# Altium PCB PCB1.PcbDoc (continued)
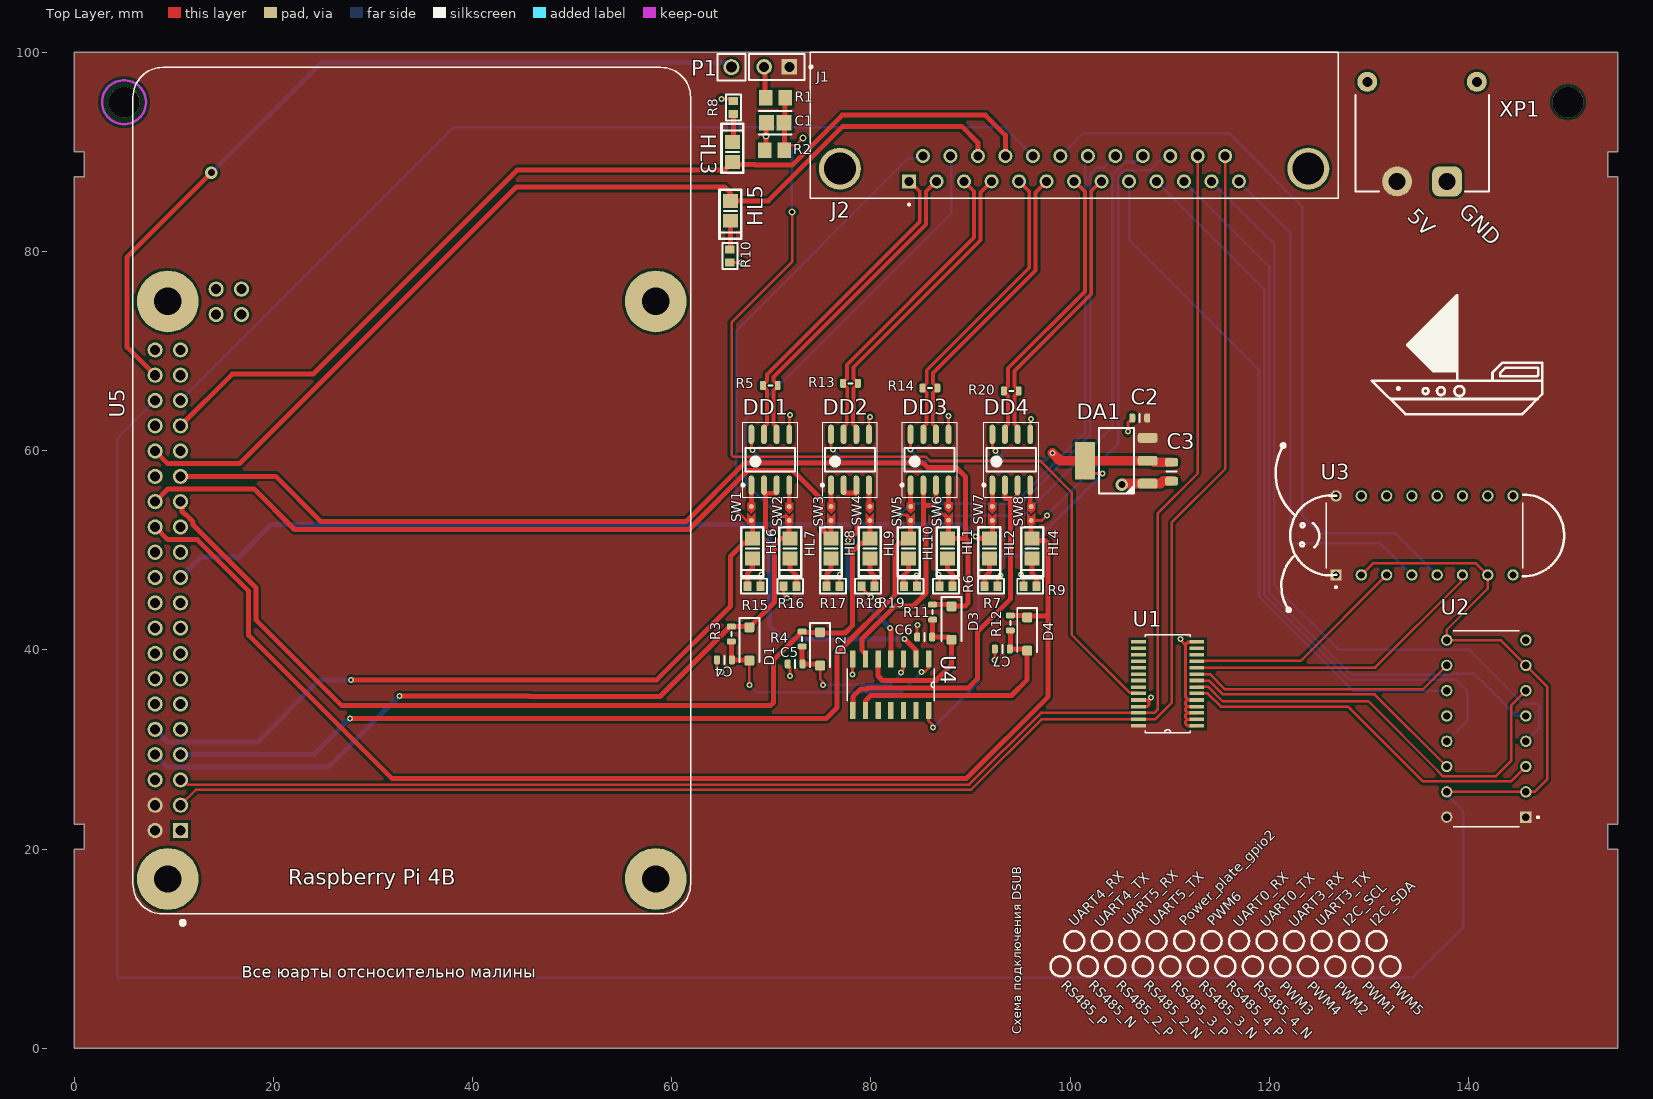
[diagram p0: Top Layer view]
## Part data (continued)
J2: "DSUB RASOLDER25SOCKET LF", Package=None, Availability="In Stock", Check_prices=https://www.snapeda.com/parts/D25S13F6GL00LF/Amphenol+FCI/view-part/?ref=eda, MF="Amphenol ICC (FCI)", MP=D25S13F6GL00LF, Price=None, Purchase-URL=https://pricing.snapeda.com/search/part/D25S13F6GL00LF/?ref=eda, SnapEDA_Link=https://www.snapeda.com/parts/D25S13F6GL00LF/Amphenol+FCI/view-part/?ref=snap
P1: library part CMP-1502-01058-3, Color=Black, Contact Resistance=20mΩ, Current Rating=3A, Operating Supply Voltage=250V, Connector Type="Male Pin", Contact Material=Copper, Contact Mating Length=5.9944mm, Contact Plating=Gold, Gender=Male, Lead Pitch=2.54mm, Mount="Through Hole", NexarPartId=32855518, Number of Contacts=1, Number of Pins=1, Number of Positions=1, Number of Rows=1, Orientation=Vertical, Packaging=Bulk, REACH SVHC=Unknown, RoHS=Compliant, Termination=Solder
R1 R2: library part CMP-2001-04375-5, "Chip Resistor, 100 Ohm, +/- 1%, 0.125 W, -55 to 155 degC, 0805 (2012 Metric), RoHS, Tape and Reel", Manufacturer=Panasonic, Max Operating Temperature="155 degC", Min Operating Temperature="-55 degC", Package Quantity=1, ComponentLink1Description="Manufacturer URL", ComponentLink1URL=http://www.panasonic.com/, ComponentLink2Description=Datasheet, ComponentLink2URL=http://industrial.panasonic.com/cdbs/www-data/pdf/RDA0000/AOA0000C86.pdf, DatasheetVersion=04/2015, Height="0.6 mm", Length="2 mm", Mount="Surface Mount", Mounting Technology="Surface Mount", PackageDescription="2-Pin Surface Mount Device, Body 2 x 1.25 mm", PackageReference=0805, Packaging="Cut Tape", REACH SVHC=Yes, RoHSCompliant=true
R3 R4 R11 R12: library part RC0603FR-0722KL, "SMD 0603; 0,1; 1%; 22 кОм", Manufacturer=Yageo, Package="SMD 0603", Power=0,1, Category=R, Part Number=RC0603FR-0722KL, Persent=1%, TCR="200 ppm"
R5 R13 R14 R20: library part RC0603FR-07120RL, "SMD 0603; 0,1; 1%; 120 Ом", Manufacturer=Yageo, Package="SMD 0603", Power=0,1, Category=R, Part Number=RC0603FR-07120RL, Persent=1%, TCR="200 ppm"
U1: "LED Driver IC 16 Output Linear - PWM Dimming 25mA 28-TSSOP", Package="TSSOP-28 NXP Semiconductors", Availability="In Stock", MF="NXP USA", MP=PCA9685PW,118, Price=None, Purchase-URL=https://pricing.snapeda.com/search/part/PCA9685PW,118/?ref=eda
U2 U3: "Ð§ÐµÑ‚Ñ‹Ñ€ÐµÑ…ÑŠÑÐ´ÐµÑ€Ð½Ñ‹Ð¹ ÐšÐœÐžÐŸ-Ð¿Ñ€ÐµÐ¾Ð±Ñ€Ð°Ð·Ð¾Ð²Ð°Ñ‚ÐµÐ»ÑŒ Ð½Ð¸Ð·ÐºÐ¾Ð³Ð¾ Ð½Ð°Ð¿Ñ€ÑÐ¶ÐµÐ½Ð¸Ñ Ð² Ð²Ñ‹ÑÐ¾ÐºÐ¾Ðµ (Ð½Ð¾Ð¼Ð¸Ð½Ð°Ð»ÑŒÐ½Ð¾Ðµ Ð½Ð°Ð¿Ñ€ÑÐ¶ÐµÐ½Ð¸Ðµ 20 Ð’)", Package="PDIP-16 Texas Instruments", Check_prices=https://www.snapeda.com/parts/CD40109BE/Texas+Instruments/view-part/?ref=eda, MF="Texas Instruments", MP=CD40109BE, SnapEDA_Link=https://www.snapeda.com/parts/CD40109BE/Texas+Instruments/view-part/?ref=snap
U4: "Inverter IC 6 Channel Schmitt Trigger 14-SOIC", Package="SO14-14 Nexperia USA Inc.", Availability="In Stock", Check_prices=https://www.snapeda.com/parts/74HC14D/Toshiba+Semiconductor+and+Storage/view-part/?ref=eda, MF=Toshiba, MP=74HC14D, Price=None, Purchase-URL=https://pricing.snapeda.com/search/part/74HC14D/?ref=eda, SnapEDA_Link=https://www.snapeda.com/parts/74HC14D/Toshiba+Semiconductor+and+Storage/view-part/?ref=snap
U5: "BCM2711 Raspberry Pi 4 Model B 4GB - ARMÂ® CortexÂ®-A72 MPU Embedded Evaluation Board", Package=None, Availability="In Stock", Check_prices=https://www.snapeda.com/parts/RASPBERRY%20PI%204B/4GB/Raspberry+Pi/view-part/?ref=eda, MF="Raspberry Pi", MP="RASPBERRY PI 4B/4GB", Price=None, Purchase-URL="https://pricing.snapeda.com/search/part/RASPBERRY PI 4B/4GB/?ref=eda", SnapEDA_Link=https://www.snapeda.com/parts/RASPBERRY%20PI%204B/4GB/Raspberry+Pi/view-part/?ref=snap
XP1: Manufacturer=AMASS, Part Number=XT30PW-M, Type=XT

## Free pads (board coordinates)
  round 3.1 hole 3.1 unplated: 4(5.006,95.006) 4(150.006,95.006)

## Via types
v1: diameter 0.6, hole 0.3, Top Layer to Bottom Layer, 46 vias
v2: diameter 0.7, hole 0.4, Top Layer to Bottom Layer, 3 vias
v3: diameter 1.27, hole 0.711, Top Layer to Bottom Layer, 2 vias

## Nets (pads, with @x,y where several pads share a name; then routed paths per layer and width w, separated by ;. In a path a pad name is that pad's centre, name@x,y a point inside that pad or via, vN(x,y) a via of type N, cw(c..) or ccw(c..) an arc to the next point about the centre after c; other vN are vias at no path point)
3.3V: C3.1 DA1.2 DA1.4 DD1.8 DD2.8 DD3.8 DD4.8 U4.14 | length 93.7
  Top Layer w0.3: DD1.8 67.995,60.286 68.1,60.181 v1(68.1,60.102) ; DD2.8 75.995,60.386 76.2,60.181 v1(76.2,60.105) ; v1(83.995,60.105) DD3.8 ; U4.14 85.81,32.87 86.25,32.43 v1(86.25,32.2) ; DD4.8 92.195,60.326 92.5,60.021 v1(92.5,60) ; DA1.4 101.5,58.576 102.35,57.726 102.774,57.726 102.8,57.7 v1(103.275,57.7)
  Top Layer w1: v1(98.25,59.775) 99.025,59 DA1.4 DA1.2 108.3,59 108.45,58.85 C3.1
  Bottom Layer w0.3: v1(68.1,60.102) 68.1,60.1 69.2,59 77.3,59 ; v1(76.2,60.105) 76.2,60.1 77.3,59 ; v1(83.995,60.105) 84.581,59.518 84.581,59.419 85,59 ; v1(86.25,32.2) 90.825,36.775 90.825,49.274 91.001,49.45 95.025,49.45 v1(103.275,57.7) ; v1(92.5,60) 93.5,59 ; v1(98.25,59.775) 97.475,59 93.5,59 ; 77.3,59 85,59 ; 85,59 93.5,59
5V: C2.1 DA1.3 J1.1 U1.28 U2.1 U2.16 U3.1 U3.16 U5.2 U5.4 XP1.2
EN_VMA: U2.2 U2.7 U2.9 U2.15 U3.2 U3.7 U5.36 | length 264.8
  Top Layer w0.254: U3.2 130.42,48.7 140.78,48.7 U3.7 ; U2.15 U2.2 146.65,25.75 147.9,27 147.9,36.32 U2.7 143.23,40.99 U2.9 137.83,42.03 141.943,46.143 U3.7@141.943,47.523
  Bottom Layer w0.254: U5.36 4.3,61.22 4.3,7.249 4.449,7.1 134.4,7.1 139.5,12.2 139.5,23.8 138.108,25.192 138.108,25.232 137.83,25.51 U2.15
GND: C1.2 C2.2 C3.2 C4.2 C5.2 C6.2 C7.2 DA1.1 DD1.5 DD2.5 DD3.5 DD4.5 R2.1 R6.1 R7.1 R8.1 R9.1 R10.1 R15.1 R16.1 R17.1 R18.1 R19.1 U1.1 U1.2 U1.3 U1.4 U1.5 U1.14 U1.24 U1.25 U2.8 U3.8 U4.7 U5.6 U5.9 U5.14 U5.20 U5.25 U5.30 U5.34 U5.39 XP1.1 | length 54.4
  Top Layer w0.3: C4.2 64.55,38.25 v1(65,37.8) ; v1(65,95.325) 66,95.325 R8.1 ; R10.1 v1(66.95,78.9) ; R15.1 68.923,47.342 68.939,47.357 68.939,47.543 v1(68.996,47.6) ; R2.1 R2.1@69.45,90.3 ; R16.1 71.25,45.55 v1(71.6,45.2) ; C5.2 71.65,38.45 71.9,38.2 v1(71.9,37.4) ; DD1.5 71.805,63.424 71.9,63.519 v1(71.9,63.6) ; R17.1 76.85,47.554 v1(76.896,47.6) ; v1(78.175,37.55) 78.175,39.076 U4.7 ; R18.1 79.3,46.15 79.3,46 v1(80,45.3) ; DD2.5 79.805,63.224 79.9,63.319 v1(79.9,63.4) ; v1(84.6,47.5) 84.6,46.45 R19.1 ; C6.2 84.65,42.45 v1(84.7,42.5) ; v1(86.8,47.6) 86.8,47.519 86.9,47.419 R6.1 ; v1(87.8,63.5) 87.805,63.495 DD3.5 ; v1(92.4,39) 92.45,39.05 C7.2 ; R7.1 92.7,47.174 93,47.474 v1(93,47.5) ; v1(95.1,47.6) 95.1,47.524 95.35,47.274 R9.1 ; DD4.5 96.005,63.024 96.1,63.119 v1(96.1,63.2) ; v1(105.8,61.925) 105.8,62.824 105.976,63 106.1,63 106.25,63.15 C2.2 ; U1.25 107.766,34.314 107.941,34.49 107.941,34.759 ; U1.24 107.726,34.974 107.941,34.759 ; v1(108.119,35.226) 108.119,35.219 107.941,35.041 107.941,34.759 ; v1(111.1,41.1) 111.1,41.019 111.25,40.869 111.25,40.857 111.58,40.527 ; U1.1 111.816,32.384 111.606,32.594 111.606,32.832 111.793,33.019 ; U1.2 111.793,33.019 ; U1.3 111.779,33.679 ; U1.4 111.786,34.314 ; U1.5 111.776,34.974 ; U1.14 111.87,40.816 111.58,40.527 ; 111.58,40.527 111.58,35.29 111.776,35.094 111.776,34.974 ; 111.776,34.974 111.6,34.799 111.6,34.5 111.786,34.314 ; 111.779,33.679 111.779,33.721 111.61,33.89 111.61,34.138 111.786,34.314 ; 111.779,33.679 111.6,33.5 111.6,33.211 111.793,33.019
  Top Layer w0.5: R2.1@69.475,90.35 v2(69.475,91.6) C1.2@69.475,92.85
  Top Layer w1: v3(105.2,56.6) 105.273,56.6 105.373,56.7 DA1.1 109.1,56.7 109.35,56.95 C3.2
hard_reset: P1.1 U5.38 | length 82.3
  Top Layer w0.5: U5.38 5.325,70.395 5.325,79.475 v3(13.775,87.925)
  Bottom Layer w0.5: v3(13.775,87.925) 24.85,99 66,99 P1.1
I2C1_SCL: J2.24 U1.26 U5.5 | length 158.7
  Top Layer w0.254: U5.5 10.965,26.95 11.446,26.469 89.861,26.469 97.071,33.679 U1.26 108.479,33.679 108.8,34 108.8,53.7 112.825,57.725 J2.24
I2C1_SDA: J2.25 U1.27 U5.3 | length 160.9
  Top Layer w0.254: U5.3 12.221,25.961 90.072,25.961 97.129,33.019 U1.27 108.537,33.019 110.2,34.682 110.2,52.8 115.585,58.185 J2.25
NetC1_1: C1.1 R1.2 R2.2 U1.23 | length 102
  Top Layer w0.254: R2.2 71.782,90.682 72.457,90.682 v2(73.175,91.4) ; v2(72.075,83.975) 72.375,83.975 72.125,83.725 72.125,79 66.025,72.9 66.025,59.57 66.174,59.421 68.161,59.421 68.164,59.424 85.501,59.424 85.925,59 85.95,59 85.975,58.975 97.025,58.975 100.175,55.825 100.175,41.521 106.01,35.686 106.828,35.686 U1.23
  Top Layer w0.5: R2.2@71.325,90.25 71.325,92.802 71.277,92.85 71.4,92.973 R1.2
  Bottom Layer w0.254: v2(72.075,83.975) 72.075,90.3 v2(73.175,91.4)
NetC4_1: C4.1 D1.A R3.2 U4.1 | length 26.3
  Top Layer w0.254: v1(67.8,36.475) D1.A ; v1(85.087,37.762) 85.153,37.828 85.453,37.828 85.81,38.185 U4.1
  Top Layer w0.5: R3.2 66,39.05 C4.1 67.725,39 D1.A
  Bottom Layer w0.254: v1(67.8,36.475) 68.5,35.775 83.1,35.775 v1(85.087,37.762)
NetC5_1: C5.1 D2.A R4.2 U4.3 | length 15.5
  Top Layer w0.254: D2.A 74.9,37.075 75.2,36.775 v1(75.2,36.5) ; v1(83.05,37.739) 83.05,37.833 83.27,38.053 U4.3
  Top Layer w0.5: R4.2 73.1,38.65 C5.1 74.725,38.6 D2.A
  Bottom Layer w0.254: v1(75.2,36.5) 81.9,36.5 83.05,37.65 v1(83.05,37.739)
NetC6_1: C6.1 D3.A R11.2 U4.5 | length 16.3
  Top Layer w0.5: U4.5 80.713,39.074 80.713,37.387 81.165,36.935 85.18,36.935 85.203,36.911 86.147,36.911 86.171,36.935 86.535,36.935 88.1,38.5 D3.A 87.825,41.3 C6.1 86.2,41.35 R11.2
NetC7_1: C7.1 D4.A R12.2 U4.9 | length 24.7
  Top Layer w0.5: U4.9 79.46,34.882 80.005,35.427 84.555,35.427 84.579,35.403 86.772,35.403 86.796,35.427 94.127,35.427 95.7,37 D4.A 95.525,40.1 C7.1 94,40.15 R12.2
NetDD1_1: DD1.1 SW1.2 | length 2.2
  Top Layer w0.5: DD1.1 67.995,54.405 SW1.2
NetDD1_2: DD1.2 DD1.3 U4.2 | length 32.9
  Top Layer w0.5: DD1.2 69.265,55.902 DD1.2@69.432,55.735 ; v1(69.8,51.7) 69.432,52.068 DD1.2@69.432,55.735 ; DD1.3 70.535,55.735 DD1.2@69.432,55.735 ; v1(83.4,41.1) 84.54,39.96 U4.2
  Bottom Layer w0.5: v1(69.8,51.7) 69.8,42.4 71.081,41.119 83.381,41.119 v1(83.4,41.1)
NetDD1_4: DD1.4 SW2.2 | length 2.2
  Top Layer w0.5: SW2.2 71.805,54.405 DD1.4
NetDD2_1: DD2.1 SW3.2 | length 2.2
  Top Layer w0.5: DD2.1 75.995,54.405 SW3.2
NetDD2_2: DD2.2 DD2.3 U4.4 | length 21.7
  Top Layer w0.5: DD2.2 77.265,55.902 77.384,55.783 DD2.3@78.6,55.783 ; v1(77.7,51) 78.6,51.9 DD2.3@78.6,55.783 ; DD2.3 78.535,55.848 DD2.3@78.6,55.783 ; v1(81.9,42.2) 82,42.1 U4.4
  Bottom Layer w0.5: v1(77.7,51) 77.7,46.4 v1(81.9,42.2)
NetDD2_4: DD2.4 SW4.2 | length 2.2
  Top Layer w0.5: DD2.4 79.805,54.495 SW4.2
NetDD3_1: DD3.1 SW5.2 | length 2.2
  Top Layer w0.5: DD3.1 83.995,54.405 SW5.2
NetDD3_2: DD3.2 DD3.3 U4.6 | length 24.6
  Top Layer w0.5: U4.6 79.46,39.675 79.443,39.692 79.393,39.692 79.1,39.985 79.1,41.1 82.4,44.4 84.238,44.4 85.554,45.716 85.554,47.084 85.526,47.112 85.526,47.526 85.554,47.554 85.554,52.2 85.265,52.489 85.265,54.52 ; DD3.2 85.265,54.52 ; DD3.3 86.535,54.935 86.12,54.52 85.265,54.52
NetDD3_4: DD3.4 SW6.2 | length 2.1
  Top Layer w0.5: SW6.2 87.8,56.545 DD3.4
NetDD4_1: DD4.1 SW7.2 | length 2.2
  Top Layer w0.5: DD4.1 92.195,54.405 SW7.2
NetDD4_2: DD4.2 DD4.3 U4.8 | length 37.9
  Top Layer w0.5: U4.8 78.19,35.29 78.992,36.092 79.604,36.092 79.693,36.181 84.867,36.181 84.891,36.157 86.459,36.157 86.483,36.181 89.781,36.181 90.7,37.1 90.7,41.8 94,45.1 94,55.2 ; DD4.2 93.465,55.2 94,55.2 ; DD4.3 94.735,55.848 94.7,55.813 94.7,55.493 94.407,55.2 94,55.2
NetDD4_4: DD4.4 SW8.2 | length 2.2
  Top Layer w0.5: DD4.4 96.005,54.495 SW8.2
NetHL1_2: HL1.2 R6.2 | length 3
  Top Layer w0.5: HL1.2 87.7,48.1 88.2,47.6 R6.2
NetHL2_2: HL2.2 R7.2 | length 3
  Top Layer w0.5: R7.2 91.4,47.293 91.9,47.793 HL2.2
NetHL3_2: HL3.2 R8.2 | length 2.9
  Top Layer w0.5: HL3.2 66.2,91.1 R8.2
NetHL4_2: HL4.2 R9.2 | length 3
  Top Layer w0.5: HL4.2 96.2,47.7 96.65,47.25 R9.2
NetHL5_2: HL5.2 R10.2 | length 2.9
  Top Layer w0.254: R10.2 R10.2@65.9,80.25
  Top Layer w0.5: R10.2@65.9,80.25 HL5.2
NetHL6_2: HL6.2 R15.2 | length 3
  Top Layer w0.5: R15.2 67.6,46.423 67.6,47.7 68.1,48.2 HL6.2
NetHL7_2: HL7.2 R16.2 | length 3.1
  Top Layer w0.5: HL7.2 71.9,48.1 72.55,47.45 R16.2
NetHL8_2: HL8.2 R17.2 | length 3
  Top Layer w0.5: R17.2 75.6,46.45 75.6,47.7 76,48.1 HL8.2
NetHL9_2: HL9.2 R18.2 | length 3
  Top Layer w0.5: HL9.2 79.9,47.9 80.35,47.45 R18.2
NetHL10_2: HL10.2 R19.2 | length 3
  Top Layer w0.5: R19.2 83.3,46.45 83.3,47.5 83.8,48 HL10.2
NetJ1_2: J1.2 R1.1 | length 3.2
  Top Layer w0.5: J1.2 69.365,98.465 69.365,95.535 R1.1
NetU1_6: U1.6 U2.3 | length 37.3
  Top Layer w0.254: U1.6 113.817,35.635 115.152,34.3 127.935,34.3 135.435,26.8 144.28,26.8 U2.3
NetU1_7: U1.7 U2.6 | length 43.5
  Top Layer w0.254: U1.7@112.823,36.321 113.85,36.321 115.325,34.846 129.956,34.846 136.879,27.923 136.879,27.896 137.467,27.308 142.743,27.308 144.3,28.865 144.3,34.44 U2.6
NetU1_8: U1.8 U2.14 | length 28.7
  Top Layer w0.254: U1.8 113.958,36.93 115.355,35.533 130.587,35.533 U2.14
NetU1_9: U1.9 U2.10 | length 26.7
  Top Layer w0.254: U1.9 114.042,37.565 115.566,36.041 135.421,36.041 U2.10
NetU1_10: U1.10 U3.6 | length 30.8
  Top Layer w0.254: U1.10 130.626,38.226 139.252,46.852 139.252,47.372 U3.6
NetU1_11: U1.11 U3.3 | length 22.6
  Top Layer w0.254: U1.11 113.456,38.886 113.478,38.908 123.168,38.908 U3.3
Power_plate_gpio2: J2.18 U5.35 | length 98.2
  Bottom Layer w0.254: U5.35 38.12,92.5 93.365,92.5 J2.18
PWM1: J2.12 U2.4 | length 78.9
  Bottom Layer w0.254: J2.12 120.5,80.765 120.5,46.5 126.961,40.039 140.061,40.039 145.5,34.6 146.951,34.6 147.1,34.451 147.1,32.16 U2.4
PWM2: J2.11 U2.5 | length 76.4
  Bottom Layer w0.254: J2.11@111.018,87.487 J2.11 119.992,78.513 119.992,45.79 128.274,37.508 137.427,37.508 137.436,37.499 138.224,37.499 138.325,37.6 140.6,37.6 144.83,33.37 U2.5
PWM3: J2.09 U2.11 | length 69.9
  Bottom Layer w0.254: J2.09 105.925,81.18 118.976,68.129 118.976,45.369 128.435,35.91 U2.11
PWM4: J2.10 U2.13 | length 76.3
  Bottom Layer w0.254: J2.10@108.688,87.062 119.484,76.266 119.484,45.579 128.063,37 137.217,37 137.226,36.991 138.434,36.991 138.443,37 138.8,37 139.9,35.9 139.9,32.9 U2.13
PWM5: J2.13 U3.4 | length 51.9
  Bottom Layer w0.254: J2.13 122.1,81.925 122.1,50.849 122.249,50.7 131.16,50.7 U3.4
PWM6: J2.19 U3.5 | length 75.4
  Bottom Layer w0.254: J2.19 101.328,91.903 115.947,91.903 123.3,84.55 123.3,53.5 125.1,51.7 132.7,51.7 U3.5
RS485_2_N: DD2.7 J2.03 R13.1 | length 31.7
  Top Layer w0.381: DD2.7 77.265,62.34 77.582,62.658 77.582,64.133 77.632,64.183 77.632,66.292 77.409,66.515 77.309,66.515 77.2,66.625 R13.1 77.2,66.925 77.309,67.035 77.377,67.035 77.6,67.258 77.6,68.642 90.365,81.407 90.365,86.06 J2.03
RS485_2_P: DD2.6 J2.04 R13.2 | length 31.8
  Top Layer w0.381: DD2.6 78.535,62.34 78.217,62.658 78.217,63.87 78.267,63.92 78.267,66.292 78.491,66.515 78.591,66.515 78.7,66.625 R13.2 78.7,66.925 78.591,67.035 78.473,67.035 78.25,67.258 78.25,68.394 91,81.144 91,85.935 J2.04
RS485_3_N: DD3.7 J2.05 R14.1 | length 30.7
  Top Layer w0.381: DD3.7 85.265,62.34 85.582,62.658 85.582,63.908 85.608,63.933 85.608,65.817 85.384,66.04 85.285,66.04 85.175,66.15 R14.1 85.175,66.45 85.285,66.56 85.384,66.56 85.608,66.783 85.608,68.081 95.9,78.373 95.9,86.045 J2.05
RS485_3_P: DD3.6 J2.06 R14.2 | length 30.8
  Top Layer w0.381: DD3.6 86.535,62.34 86.217,62.658 86.217,63.645 86.243,63.67 86.243,65.817 86.466,66.04 86.566,66.04 86.675,66.15 R14.2 86.675,66.45 86.566,66.56 86.466,66.56 86.243,66.783 86.243,67.818 96.535,78.11 96.535,85.95 J2.06
RS485_4_N: DD4.7 J2.07 R20.1 | length 29.7
  Top Layer w0.381: DD4.7 93.465,62.34 93.782,62.658 93.782,65.517 93.559,65.74 93.459,65.74 93.35,65.85 R20.1 93.35,66.15 93.459,66.26 93.559,66.26 93.782,66.483 93.782,68.288 101.49,75.996 101.49,86.052 100.482,87.06 J2.07
RS485_4_P: DD4.6 J2.08 R20.2 | length 29.7
  Top Layer w0.381: DD4.6 94.735,62.34 94.417,62.658 94.417,65.517 94.641,65.74 94.741,65.74 94.85,65.85 R20.2 94.85,66.15 94.741,66.26 94.641,66.26 94.417,66.483 94.417,68.025 102.125,75.733 102.125,86.098 103.087,87.06 J2.08
RS485_N: DD1.7 J2.01 R5.1 | length 32.8
  Top Layer w0.381: DD1.7 69.265,62.34 69.582,62.658 69.582,66.067 69.359,66.29 69.259,66.29 69.15,66.4 R5.1 69.15,66.7 69.259,66.81 69.359,66.81 69.582,67.033 69.582,67.671 84.9,82.989 84.9,84.212 84.9,86.058 84.411,86.546 84.358,86.546 J2.01
RS485_P: DD1.6 J2.02 R5.2 | length 32.8
  Top Layer w0.381: DD1.6 70.535,62.34 70.217,62.658 70.217,66.067 70.441,66.29 70.541,66.29 70.65,66.4 R5.2 70.65,66.7 70.541,66.81 70.441,66.81 70.217,67.033 70.217,67.408 85.535,82.726 85.535,86.043 86.552,87.06 J2.02 J2.02@86.605,87.055
UART0_RX: HL6.1 J2.14 SW1.1 U5.10 | length 119.7
  Top Layer w0.254: v1(66.5,54) 67.5,53 SW1.1
  Top Layer w0.5: v1(27.8,37) 58.5,37 65.9,44.4 65.9,49.4 67.25,50.75 67.65,50.75 HL6.1 68.1,52.9 SW1.1
  Bottom Layer w0.254: v1(66.5,54) 66.5,72.1 83.79,89.39 85.015,89.39 J2.14
  Bottom Layer w0.5: U5.10 9.396,30.764 18.364,30.764 24.6,37 v1(27.8,37)
UART0_TX: D1.K HL7.1 J2.15 R3.1 SW2.1 U5.8 | length 126.5
  Top Layer w0.254: v1(70.8,53.4) 71.4,53.4 SW2.1
  Top Layer w0.5: v1(32.65,35.375) 45.726,35.375 45.776,35.325 58.825,35.325 65.85,42.35 R3.1 67.725,42.35 D1.K 70.346,44.821 70.346,50.646 70.9,51.2 HL7.1 71.8,51.3 SW2.1
  Bottom Layer w0.254: v1(70.8,53.4) 67.419,56.781 67.419,63.219 88.053,83.853 88.053,89.532 J2.15
  Bottom Layer w0.5: U5.8 9.396,28.224 25.499,28.224 v1(32.65,35.375)
UART2_RX: HL8.1 SW3.1 U5.28 | length 78.9
  Top Layer w0.5: U5.28 9.396,56.156 18.07,56.156 22.126,52.1 61.733,52.1 67.662,58.029 68.728,58.029 72.138,58.029 75.096,55.071 75.096,52.104 75.5,51.7 75.5,51.65 75.95,51.2 HL8.1 SW3.1
UART2_TX: D2.K HL9.1 R4.1 SW4.1 U5.27 | length 96.1
  Top Layer w0.5: U5.27 10.827,54.733 10.827,53.909 11.12,53.616 11.194,53.616 11.936,52.874 11.936,52.564 18.279,46.221 18.279,42.983 26.862,34.4 69.907,34.4 70.2,34.693 70.2,38.95 72.9,41.65 72.9,41.8 72.95,41.85 R4.1 73.25,41.85 73.325,41.775 D2.K 74.975,41.7 77.4,41.7 78.146,42.446 78.146,49.846 79.05,50.75 79.45,50.75 HL9.1 SW4.1
UART3_RX: HL10.1 J2.20 SW5.1 U5.7 | length 141.3
  Top Layer w0.254: v1(82.9,53.6) 83.4,53.6 SW5.1
  Top Layer w0.5: v1(27.7,33.125) 51.601,33.125 51.626,33.1 75.5,33.1 76.6,34.2 76.6,39.7 82.4,45.5 82.4,50.3 82.85,50.75 83.35,50.75 HL10.1 84,51.4 SW5.1
  Bottom Layer w0.254: v1(82.9,53.6) 84,54.7 94.4,54.7 101.517,61.817 101.517,88.874 101.564,88.921 101.564,89.379 J2.20
  Bottom Layer w0.5: U5.7 24.065,29.49 v1(27.7,33.125)
UART3_TX: D3.K HL1.1 J2.21 R11.1 SW6.1 U5.29 | length 153.8
  Top Layer w0.254: v1(86.6,53.825) 86.627,53.798 87.027,53.798 SW6.1
  Top Layer w0.5: U5.29 20.237,57.43 24.767,52.9 61.467,52.9 67.35,58.783 68.416,58.783 68.426,58.793 85.24,58.793 85.689,58.344 88.556,58.344 89.507,57.393 89.507,53.744 89.496,53.733 89.496,53.067 89.507,53.056 89.507,51.2 ; R11.1 87.925,44.55 88.075,44.4 89.453,44.4 89.746,44.693 89.746,45.4 89.742,45.404 89.742,50.965 89.507,51.2 ; SW6.1 87.8,51.3 HL1.1 89.507,51.2
  Bottom Layer w0.254: v1@86.6,53.8 86.604,53.8 86.904,53.5 93.918,53.5 102.025,61.607 102.025,87.75 102.719,88.444 103.389,88.444 J2.21
UART4_RX: HL2.1 J2.22 SW7.1 U5.21 | length 133.4
  Top Layer w0.5: v1(90.5,51.4) 90.527,51.4 90.727,51.2 HL2.1 92.2,51.5 SW7.1
  Bottom Layer w0.254: v1(90.5,51.4) 93.2,51.4 104.25,62.45 104.25,87.693 105.557,89 106.581,89 107.181,89.6 J2.22
  Bottom Layer w0.5: U5.21 12.74,49.34 16.54,49.34 19.8,52.6 70.463,52.6 70.467,52.596 71.133,52.596 71.137,52.6 89.3,52.6 v1(90.5,51.4)
UART4_TX: D4.K HL4.1 J2.23 R12.1 SW8.1 U5.26 | length 174
  Top Layer w0.254: SW8.1 97.2,53 v1(97.7,53.5)
  Top Layer w0.5: U5.26 9.404,51.076 12.358,51.076 17.525,45.909 17.525,41.463 31.888,27.1 89.6,27.1 97.8,35.3 97.8,43.693 ; R12.1 95.525,43.45 95.575,43.4 97.507,43.4 97.8,43.693 ; SW8.1 96.1,51.3 HL4.1 96.4,51 97.507,51 97.8,50.707 97.8,43.693
  Bottom Layer w0.254: v1(97.7,53.5) 97.7,53.562 104.825,60.687 104.825,87.55 105.45,88.175 108.075,88.175 109.279,89.379 109.844,89.379 J2.23
UART5_RX: HL3.1 J2.17 U5.33 | length 98.9
  Top Layer w0.5: U5.33 15.858,67.698 23.978,67.698 44.48,88.2 65.3,88.2 65.6,88.5 65.6,88.55 66.05,89 HL3.1 66.35,88.75 68.4,88.75 68.429,88.721 72.146,88.721 77.125,93.7 91.5,93.7 93.505,91.695 J2.17
UART5_TX: HL5.1 J2.16 U5.32 | length 100.8
  Top Layer w0.5: U5.32 9.396,58.704 16.604,58.704 44.39,86.49 65.31,86.49 65.9,85.9 HL5.1 69.7,85.1 77.175,92.575 89.125,92.575 90.745,90.955 J2.16
pads on no net: J2.S1 J2.S2 U1.12 U1.13 U1.15 U1.16 U1.17 U1.18 U1.19 U1.20 U1.21 U1.22 U2.12 U3.9 U3.10 U3.11 U3.12 U3.13 U3.14 U3.15 U4.10 U4.11 U4.12 U4.13 U5.1 U5.11 U5.12 U5.13 U5.15 U5.16 U5.17 U5.18 U5.19 U5.22 U5.23 U5.24 U5.31 U5.37 U5.40 U5.41 U5.42 U5.43 U5.44 U5.S1 U5.S2 U5.S3 U5.S4 XP1.0

## Polygon pours and split planes (outlines as drawn)
GND on Bottom Layer "NONET_L-01_P-001" (solid, pour order 0): 0,100 0,90 1,90 1,87.55 0,87.55 0,22.5 1,22.5 1,20 0,20 0,0 155,0 155,20 154,20 154,22.525 155,22.525 155,87.55 154.025,87.55 154,87.575 154,90.025 155,90.025 155,100
5V on Top Layer "NONET_L-01_P-001" (solid, pour order 1): 0,0 0,20 1,20 1,22.525 0.975,22.5 0,22.5 0,87.525 0.025,87.5 1.025,87.5 1.025,90.025 1,90.05 0,90.05 0,100 0.025,100.025 155,100.025 155,90.025 154.975,90 154.025,90 154.025,87.55 155,87.55 155,22.5 154,22.5 154,20 155,20 155,0

## Keep-outs
Keep-Out Layer:
  circle w0.254: c5.006,95.006 r2.207

## Silkscreen, mask and mechanical layers (free items; w line width, h text height)
Top Overlay:
  circle w0.254: c123.3,50.6 r0.195
  circle w0.254: c123.35,52.525 r0.195
  circle w0.254: c121.4,60.525 r0.215
  circle w0.254: c121.95,44.025 r0.202
  circle w0.254: c139.1,66 r0.5
  circle w0.254: c137.25,66 r0.4
  circle w0.254: c135.7,66 r0.3
  circle w0.254: c132.975,66.25 r0.112
  circle w0.254: c132.16,8.23 r1
  circle w0.254: c129.4,8.23 r1
  circle w0.254: c126.64,8.23 r1
  circle w0.254: c123.88,8.23 r1
  circle w0.254: c121.12,8.23 r1
  circle w0.254: c118.36,8.23 r1
  circle w0.254: c115.6,8.23 r1
  circle w0.254: c112.84,8.23 r1
  circle w0.254: c110.08,8.23 r1
  circle w0.254: c107.32,8.23 r1
  circle w0.254: c104.56,8.23 r1
  circle w0.254: c101.8,8.23 r1
  circle w0.254: c99.04,8.23 r1
  circle w0.254: c130.78,10.77 r1
  circle w0.254: c128.02,10.77 r1
  circle w0.254: c125.26,10.77 r1
  circle w0.254: c122.5,10.77 r1
  circle w0.254: c119.74,10.77 r1
  circle w0.254: c116.98,10.77 r1
  circle w0.254: c114.22,10.77 r1
  circle w0.254: c111.46,10.77 r1
  circle w0.254: c108.7,10.77 r1
  circle w0.254: c105.94,10.77 r1
  circle w0.254: c103.18,10.77 r1
  circle w0.254: c100.42,10.77 r1
  region: 138.863,75.637 133.85,70.625 136.5,67.975 138.863,67.975
  lines w0.254: 121.4,60.525 ccw(c126.218,57.741) 122.66,53.462 ; 121.95,44.025 cw(c125.462,46.403) 122.619,49.55 ; 124.4,52.725 cw(c123.389,51.445) 124.55,50.3 ; 126.71,47.53 cw(c126.126,51.5) 126.71,55.47 ; 132.225,65.2 146.95,65.2 ; 138.863,67.025 138.863,75.637 133.85,70.625 136.5,67.975 138.875,67.975 ; 142.425,67.075 142.425,67.85 143.4,68.825 147.4,68.825 147.4,67.025 ; 145.453,47.397 ccw(c145.528,51.5) 145.525,55.603 ; 147.4,67.025 147.4,65.675 145.475,63.75 145.4,63.675 133.675,63.675 130.325,67.025 147.4,67.025 ; 143.225,67.5 146.9,67.5 147,67.6 147,68.275 146.925,68.35 143.725,68.35 143.225,67.85 143.225,67.5
  text "GND" at 138.959,83.9 h1.52 r315
  text "5V" at 133.759,83.4 h1.52 r315
  text "Raspberry Pi 4B" at 21.504,16.437 h1.52
  text "UART5_RX" at 105.882,12.277 h1 r45
  text "PWM6" at 114.375,12.209 h1 r45
  text "Power_plate_gpio2" at 111.564,12.195 h1 r45
  text "UART4_RX" at 100.482,12.177 h1 r45
  text "UART5_TX" at 108.582,12.177 h1 r45
  text "UART3_TX" at 125.282,12.177 h1 r45
  text "I2C_SCL" at 127.982,12.177 h1 r45
  text "I2C_SDA" at 130.682,12.177 h1 r45
  text "UART4_TX" at 103.082,12.077 h1 r45
  text "UART0_RX" at 116.982,12.077 h1 r45
  text "UART0_TX" at 119.682,12.077 h1 r45
  text "UART3_RX" at 122.582,12.077 h1 r45
  text "Все юарты отсносительно малины" at 16.8,6.7 h2
  text "RS485_P" at 99.017,6.223 h1 r315
  text "RS485_N" at 101.777,6.223 h1 r315
  text "RS485_2_P" at 104.537,6.223 h1 r315
  text "RS485_2_N" at 107.297,6.223 h1 r315
  text "RS485_3_P" at 110.057,6.223 h1 r315
  text "RS485_3_N" at 112.817,6.223 h1 r315
  text "RS485_4_P" at 115.577,6.223 h1 r315
  text "RS485_4_N" at 118.337,6.223 h1 r315
  text "PWM3" at 120.979,6.105 h1 r315
  text "PWM4" at 123.739,6.105 h1 r315
  text "PWM2" at 126.499,6.105 h1 r315
  text "PWM1" at 129.259,6.105 h1 r315
  text "PWM5" at 132.019,6.105 h1 r315
  text "Схема подключения DSUB" at 95.4,1.4 h1.52 r90
Bottom Overlay:
  text "HYDRONAUTICS 2024" at 52.871,4.254 h1.52
Mechanical 1:
  circle w0.013: c5.006,95.006 r1.7
  circle w0.013: c150.006,95.006 r1.7
  lines w0.013: 0.006,0.006 0.006,20.006 1.006,20.006 1.006,22.506 0.006,22.506 0.006,87.542 1.006,87.542 1.006,90.042 0.006,90.042 0.006,100.006 155.006,100.006 155.006,90.042 154.006,90.042 154.006,87.542 155.006,87.542 155.006,22.506 154.006,22.506 154.006,20.006 155.006,20.006 155.006,0.006 0.006,0.006

## Text inside footprints (layer, text, board x,y; h text height)
J2: Mechanical 13 "PCB EDGE" at 73.197,99.633 h1.27 r180